# KiCad board Scopefun_v2.kicad_pcb (continued)
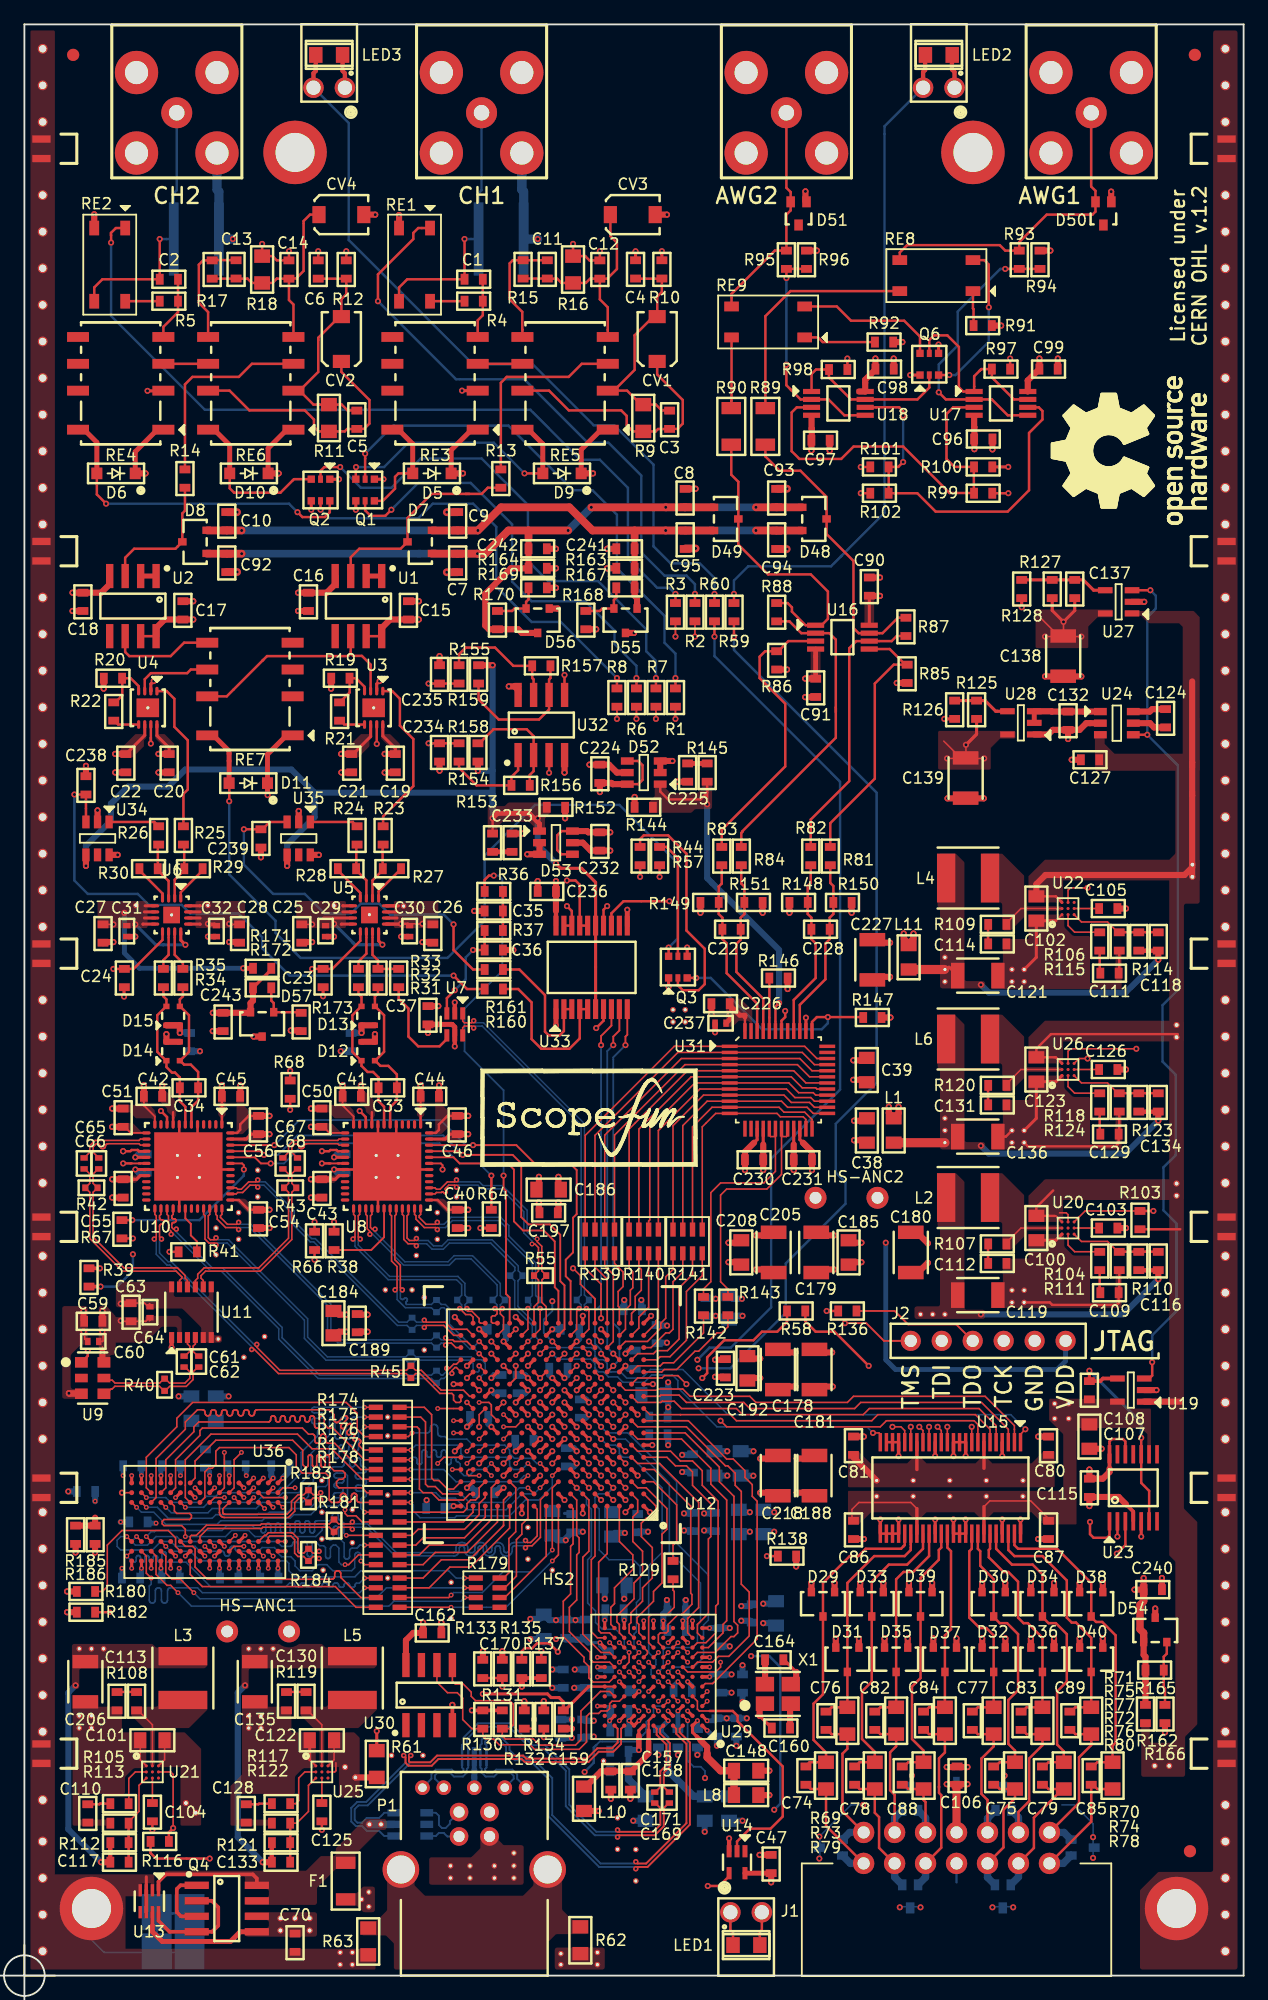
[diagram p0: board, top side]
## Routing (per net, layer and track width the routed paths; a pad name or vN(x,y) marks a point on that pad's centre or on a via; arc(x,y) is an arc through that point) (continued)
/DDR3 SDRAM/DDR3_A12_: length 27.8
  Top w0.127: R179.1 v2(36.1,32.6) ; U36.N7 v2(11.6,35.2)
  Bottom w0.127: v2(11.6,35.2) 12,34.8 13.6,34.8 14.4,34 21.5,34 21.7,33.8 21.7,33.2 22.2,32.7 27.1,32.7 27.6,33.2 34.8,33.2 35.4,32.6 v2(36.1,32.6)
/DDR3 SDRAM/DDR3_A13_: length 31.3
  Top w0.127: R176.4 27.7,37.2 27.2,37.7 26.5,37.7 26.3,37.9 v2(26.3,38.2) ; U36.T3 v2(9.2,38.4)
  Bottom w0.127: v2(9.2,38.4) 9.6,38 10.6,38 11.6,37 15.8,37 16.1,37.3 19.5,37.3 19.7,37.5 21.8,37.5 22.1,37.8 23.5,37.8 24.2,38.5 25.73,38.5 26.1,38.87 26.12,38.91 26.14,38.95 26.14,38.99 26.14,39.04 26.12,39.08 26.1,39.12 26.07,39.15 26.03,39.18 25.99,39.19 25.59,39.19 25.5,39.2 25.46,39.21 25.42,39.24 25.39,39.27 25.36,39.31 25.35,39.35 25.34,39.39 25.35,39.44 25.36,39.48 25.39,39.52 25.42,39.55 25.46,39.58 25.5,39.59 25.54,39.59 25.94,39.59 25.99,39.6 26.03,39.61 26.07,39.64 26.1,39.67 26.12,39.71 26.14,39.75 26.14,39.79 26.14,39.84 26.12,39.88 26.1,39.92 26.07,39.95 26.03,39.98 25.99,39.99 25.94,39.99 25.64,39.99 25.56,40.01 25.51,40.02 25.48,40.04 25.44,40.08 25.42,40.11 25.41,40.16 25.4,40.2 25.41,40.24 25.42,40.29 25.44,40.32 25.48,40.36 25.51,40.38 25.56,40.39 25.6,40.4 26,40.4 26.04,40.41 26.09,40.42 26.12,40.44 26.16,40.48 26.18,40.51 26.19,40.56 26.2,40.6 26.19,40.64 26.18,40.69 26.16,40.72 26.12,40.76 26.09,40.78 26.04,40.79 26,40.8 25.6,40.8 25.56,40.81 25.51,40.82 25.48,40.84 25.44,40.88 25.42,40.91 25.41,40.96 25.4,41 25.41,41.04 25.42,41.09 25.44,41.12 25.48,41.16 25.51,41.18 25.56,41.19 25.64,41.21 26.29,41.21 26.5,41 26.5,38.68 26.3,38.48 v2(26.3,38.2)
/DDR3 SDRAM/DDR3_A14_: length 28.6
  Top w0.127: R177.4 27.9,33.7 v2(27.6,34) ; U36.T7 v2(8.4,36)
  Bottom w0.127: v2(8.4,36) 7.9,36 7.6,35.7 7.6,35.2 7.9,34.9 10.5,34.9 11.2,35.6 12,35.6 12.4,35.2 14,35.2 14.4,34.8 16.2,34.8 16.24,34.79 16.29,34.78 16.32,34.76 16.36,34.72 16.38,34.69 16.39,34.64 16.41,34.56 16.42,34.51 16.44,34.48 16.48,34.44 16.51,34.42 16.56,34.41 16.6,34.4 16.65,34.4 16.69,34.41 16.74,34.42 16.77,34.44 16.81,34.48 16.83,34.51 16.84,34.56 16.85,34.6 16.85,35 16.86,35.04 16.87,35.09 16.89,35.12 16.93,35.16 16.96,35.18 17.01,35.19 17.05,35.2 17.1,35.2 17.14,35.19 17.19,35.18 17.22,35.16 17.26,35.12 17.28,35.09 17.29,35.04 17.31,34.96 17.32,34.91 17.34,34.88 17.38,34.84 17.41,34.82 17.46,34.81 17.5,34.8 19.2,34.8 19.5,35.1 20.5,35.1 20.8,34.8 20.8,34.65 21.1,34.35 21.85,34.35 22.2,34 22.2,33.6 22.6,33.2 23.6,33.2 24.1,33.7 24.8,33.7 25.3,33.2 26.84,33.2 27.09,33.46 27.09,34.46 27.1,34.51 27.12,34.56 27.15,34.61 27.19,34.65 27.24,34.68 27.29,34.7 27.34,34.71 27.4,34.7 27.45,34.68 27.5,34.65 27.54,34.61 27.57,34.56 27.59,34.51 27.59,34.46 27.59,34.01
/DDR3 SDRAM/DDR3_BA0_: length 23.4
  Top w0.127: R175.3 27.6,41.5 25.45,43.65 24.95,43.65 24.9,43.66 24.85,43.67 24.81,43.7 24.77,43.73 24.75,43.78 24.73,43.82 24.73,43.88 24.73,44.18 24.72,44.23 24.7,44.27 24.68,44.32 24.64,44.35 24.6,44.38 24.55,44.39 24.5,44.4 24.45,44.39 24.4,44.38 24.36,44.35 24.32,44.32 24.3,44.27 24.28,44.23 24.27,44.18 24.27,43.88 24.27,43.82 24.25,43.78 24.23,43.73 24.19,43.7 24.15,43.67 24.1,43.66 24.05,43.65 24,43.66 23.95,43.67 23.91,43.7 23.87,43.73 23.85,43.78 23.83,43.82 23.83,43.88 23.83,44.18 23.82,44.23 23.8,44.27 23.78,44.32 23.74,44.35 23.7,44.38 23.65,44.39 23.6,44.4 23.3,44.4 22.8,44.9 14.6,44.9 14.4,44.7 14.4,44.3 12.4,42.3 12.4,40 U36.M2
/DDR3 SDRAM/DDR3_BA1_: length 28.6
  Top w0.127: U36.N8 11.6,34.4 11.6,33 12.1,32.5 12.8,32.5 v2(13.9,31.4) ; R179.2 v2(36.1,31.8)
  Bottom w0.127: v2(36.1,31.8) 29.7,31.8 28.8,30.9 14.4,30.9 v2(13.9,31.4)
/DDR3 SDRAM/DDR3_BA2_: length 29.6
  Top w0.127: U36.M3 12.3,38.5 12.3,38.1 12.5,37.9 13.55,37.9 13.7,37.75 13.7,37.55 13.55,37.4 11.45,37.4 11.3,37.25 11.3,37.05 11.45,36.9 12.9,36.9 13.2,36.6 v2(13.2,36) ; v2(27.9,35.3) 28.8,35.3
  Bottom w0.127: 27.52,35.3 v2(27.9,35.3) ; 27.52,35.3 27.27,35.05 26.9,35.05 26.85,35.04 26.8,35.03 26.76,35 26.72,34.97 26.7,34.92 26.68,34.88 26.67,34.83 26.67,34.38 26.67,34.32 26.65,34.28 26.63,34.23 26.59,34.2 26.55,34.17 26.5,34.16 26.45,34.15 26.4,34.16 26.35,34.17 26.31,34.2 26.27,34.23 26.25,34.28 26.23,34.32 26.23,34.38 26.23,35.47 25.77,35.93 25.77,36.62 25.77,36.68 25.75,36.72 25.73,36.77 25.69,36.8 25.65,36.83 25.6,36.84 25.55,36.85 25.5,36.84 25.45,36.83 25.41,36.8 25.37,36.77 25.35,36.72 25.33,36.68 25.33,36.62 25.33,35.96 25.32,35.9 25.3,35.86 25.28,35.81 25.24,35.78 25.2,35.75 25.15,35.74 25.1,35.73 25.05,35.74 25,35.75 24.96,35.78 24.92,35.81 24.9,35.86 24.88,35.9 24.88,35.96 24.88,36.62 24.87,36.68 24.85,36.72 24.83,36.77 24.79,36.8 24.75,36.83 24.7,36.84 24.65,36.85 24.6,36.84 24.55,36.83 24.51,36.8 24.47,36.77 24.45,36.72 24.43,36.68 24.42,36.62 24.42,36.53 23.9,36 18.9,36 18.4,36.5 17,36.5 16.5,36 v2(13.2,36) ; 27.52,35.3 27.32,35.1
/DDR3 SDRAM/DDR3_CAS#_: length 21.7
  Top w0.127: R175.4 27.7,40.7 25.2,43.2 23.6,43.2 22.4,44.4 15.3,44.4 13.2,42.3 13.2,40.21 13.2,39.2 U36.K3
/DDR3 SDRAM/DDR3_CKE_: length 17.7
  Top w0.127: 22.5,31.9 25.5,31.9 27.2,30.2 R178.4 ; 22.5,31.9 14.6,31.9 13.6,32.9 U36.K9 ; 22.5,31.9 22.8,31.9
/DDR3 SDRAM/DDR3_ODT_: length 26.8
  Top w0.127: R176.1 28.1,39.6 27.7,40 25.8,40 25.6,40.2 25.6,40.5 25.8,40.7 26.1,40.7 26.3,40.9 26.3,41.2 26.1,41.4 25.4,41.4 25.02,41.78 25.02,42.53 25.02,42.56 25.01,42.6 24.99,42.63 24.96,42.66 24.93,42.68 24.89,42.7 24.85,42.7 24.81,42.7 24.77,42.68 24.74,42.66 24.71,42.63 24.69,42.6 24.68,42.56 24.67,42.53 24.67,41.88 24.67,41.84 24.66,41.8 24.64,41.77 24.61,41.74 24.58,41.72 24.54,41.7 24.5,41.7 24.46,41.7 24.42,41.72 24.39,41.74 24.36,41.77 24.34,41.8 24.33,41.84 24.33,41.88 24.33,42.53 24.32,42.56 24.31,42.6 24.29,42.63 24.26,42.66 24.23,42.68 24.19,42.7 24.15,42.7 24.11,42.7 24.07,42.68 24.04,42.66 24.01,42.63 23.99,42.6 23.98,42.56 23.98,42.53 23.98,41.88 23.97,41.84 23.96,41.8 23.94,41.77 23.91,41.74 23.88,41.72 23.84,41.7 23.8,41.7 23.76,41.7 23.72,41.72 23.69,41.74 23.66,41.77 23.64,41.8 23.63,41.84 23.62,41.88 23.62,42.53 23.62,42.56 23.61,42.6 23.59,42.63 23.56,42.66 23.53,42.68 23.49,42.7 23.45,42.7 23.41,42.7 23.37,42.68 23.34,42.66 23.31,42.63 23.29,42.6 23.28,42.56 23.27,42.53 23.27,41.88 23.27,41.84 23.26,41.8 23.24,41.77 23.21,41.74 23.18,41.72 23.14,41.7 23.1,41.7 23.06,41.7 23.02,41.72 22.99,41.74 22.83,41.9 22.83,43.07 22,43.9 15.7,43.9 14,42.2 14,40.8 U36.K1
/DDR3 SDRAM/DDR3_RAS#_: length 24
  Top w0.127: 14.39,38.8 U36.J3 14.8,39.2 14.8,41.3 15.1,41.6 15.4,41.6 15.7,41.9 15.7,43 16,43.3 21.7,43.3 22.3,42.7 22.3,41.7 22.8,41.2 24.7,41.2 25,40.9 25,39 25.2,38.8 25.7,38.8 25.75,38.81 25.8,38.82 25.84,38.85 25.88,38.88 25.9,38.93 25.92,38.97 25.92,39.03 25.92,39.33 25.93,39.38 25.95,39.42 25.97,39.47 26.01,39.5 26.05,39.53 26.1,39.54 26.15,39.55 26.2,39.54 26.25,39.53 26.29,39.5 26.33,39.47 26.35,39.42 26.37,39.38 26.38,39.33 26.38,39.03 26.38,38.97 26.4,38.93 26.42,38.88 26.46,38.85 26.5,38.82 26.55,38.81 26.6,38.8 26.65,38.81 26.7,38.82 26.74,38.85 26.78,38.88 26.8,38.93 26.82,38.97 26.83,39.03 26.83,39.33 26.83,39.38 26.85,39.42 26.87,39.47 26.91,39.5 26.95,39.53 27,39.54 27.05,39.55 27.1,39.54 27.15,39.53 27.19,39.5 27.23,39.47 27.25,39.42 27.27,39.38 27.27,39.33 27.27,39.03 27.28,38.97 27.3,38.93 27.32,38.88 27.36,38.85 27.4,38.82 27.45,38.81 27.5,38.8 R176.2
/DDR3 SDRAM/DDR3_WE#_: length 27.7
  Top w0.127: U36.L3 v2(13.2,38.4) ; v2(27.9,45.8) R174.2
  Bottom w0.127: v2(13.2,38.4) 14.7,38.4 15.1,38.8 19,38.8 19.4,39.2 20.8,39.2 21.2,39.6 22.5,39.6 22.8,39.9 22.8,40.5 23.5,41.2 23.5,42.8 25.02,44.33 25.02,45.58 25.03,45.63 25.05,45.67 25.07,45.72 25.11,45.75 25.15,45.78 25.2,45.79 25.25,45.8 25.3,45.79 25.35,45.78 25.39,45.75 25.43,45.72 25.45,45.67 25.47,45.63 25.48,45.58 25.48,44.22 25.48,44.17 25.5,44.13 25.52,44.08 25.56,44.05 25.6,44.02 25.65,44.01 25.7,44 25.75,44.01 25.8,44.02 25.84,44.05 25.88,44.08 25.9,44.13 25.92,44.17 25.92,44.22 25.92,45.58 25.93,45.63 25.95,45.67 25.97,45.72 26.01,45.75 26.05,45.78 26.1,45.79 26.15,45.8 26.2,45.79 26.25,45.78 26.29,45.75 26.33,45.72 26.35,45.67 26.37,45.63 26.38,45.58 26.38,44.22 26.38,44.17 26.4,44.13 26.42,44.08 26.46,44.05 26.5,44.02 26.55,44.01 26.6,44 26.65,44.01 26.7,44.02 26.74,44.05 26.78,44.08 26.8,44.13 26.82,44.17 26.83,44.22 26.83,45.58 26.83,45.63 26.85,45.67 26.87,45.72 26.91,45.75 26.95,45.78 27,45.79 27.05,45.8 v2(27.9,45.8)
/DDR3 SDRAM/VFREF: length 5.3
  Top w0.127: 15.2,40.99 v2(15.19,41)
  Top w0.25: U36.H1 15.2,40.99 ; U36.M8 v2(12.4,34.4)
  Top w0.5: 5.8,36.95 v2(5.8,37.55) ; R185.2 v2(5,36.9) 4.3,36.9
  Bottom w0.4: v2(15.19,41) 15.19,41.31 14.9,41.6 ; v2(10.8,37.1) 10.3,37.1
  Bottom w0.5: 10.3,37.1 10.2,37.2 ; 5.8,39.6 v2(5.8,38.9)
/GAIN, OFFSET/AN_TRIG: length 8.6
  Top w0.127: R31.1 30.85,81.05
  Top w0.2: U7.4 34.65,76.8 34.05,76.2 32.3,76.2 31.5,77 31.5,79.3 30.7,80.1 R31.1
/POWER SUPPLY/A2_L_1V0: length 5.2
  Top w0.127: 80.56,60 80.56,60.13 81.73,61.3 U20.A2
/POWER SUPPLY/A2_L_1V2: length 5.2
  Top w0.127: 23.1,21.74 23.23,21.74 24.4,20.56 U25.A2
/POWER SUPPLY/A2_L_1V5: length 5.2
  Top w0.127: U21.A2 10.5,20.56 9.33,21.74 9.2,21.74
/POWER SUPPLY/A2_L_1V8: length 5.2
  Top w0.127: U26.A2 81.73,74.3 80.56,73.13 80.56,73
/POWER SUPPLY/A2_L_3V3: length 5.2
  Top w0.127: U22.A2 81.73,87.5 80.56,86.33 80.56,86.2
/POWER SUPPLY/PG1: length 27.4
  Top w0.127: R103.2 87,62.7 U20.C3 ; U26.B3 85.6,75.8 85.8,76 v1(91.2,76)
  Top w0.2: R103.2 v1(92.6,62.7)
  In2.Cu w0.2: v1(91.2,76) 91.2,70.2 92.6,68.8 v1(92.6,62.7)
/POWER SUPPLY/PG2: length 179.1
  Top w0.127: U22.B3 85.6,89 85.8,89.2 86.9,89.2 ; U21.B3 12,16.7 12.2,16.5 v1(12.2,12.1) ; 86.9,89.2 87,89.2 ; 86.9,89.2 v1(87.2,89.2) ; U26.C3 86.5,75.2 87,75.2
  Top w0.2: v1(12.2,12.1) 11.85,11.75 R116.2
  In2.Cu w0.2: v1(87.2,89.2) v1(87.2,75.2) 87.2,66.05 94.8,58.45 94.8,15 83.3,3.5 27.8,3.5 19.2,12.1 v1(12.2,12.1)
/USB FX3/TX+: length 6.3
  Top w0.155: U29.A5 52.14,20.24 52.14,19.86 52.94,19.06 52.94,17.14 52.44,16.64 52.44,15.46 52.85,15.05 C169.2
/USB FX3/TX-: length 6.3
  Top w0.155: C171.2 51.75,15.05 52.16,15.46 52.16,16.76 52.66,17.26 52.66,18.94 51.86,19.74 51.86,20.24 U29.A6
/USB Port/U2D+: length 3.3
  Bottom w0.155: D16.3 33.23,11.45 ; D16.3 33.75,11.45 34,11.7 34.4,11.7 34.69,11.41 P1.3 ; D16.3 32.77,11.45
/USB Port/U2D-: length 4.6
  Bottom w0.127: 35.59,13.35 P1.2
  Bottom w0.155: 32.77,13.35 D16.1 33.75,13.35 34,13.1 34,12.35 34.25,12.1 34.55,12.1 34.9,12.45 34.9,12.66 P1.2
A_D0_J2: length 26.4
  Top w0.2: R78.2 88,17.5 87.66,17.16 87.5,17.16 ; R78.2 89.25,18.85 89.5,19.1 89.5,27.9 88.4,29 87.9,29 87.5,29.4 D38.3 87.5,32.2 84.7,35 81.5,35 81.2,35.3 U15.47 ; R78.2 89.2,17.5
A_D1_J1: length 20.5
  Top w0.2: 85.75,21.66 85.86,21.66 86.2,22 R80.2 D40.3 87.5,27.7 86.25,28.95 85.9,28.95 85.5,29.35 85.5,32.4 83.5,34.4 81.2,34.4 80.7,34.9 U15.46
A_D2_J4: length 25
  Top w0.2: R74.2 85.25,18.4 84.7,18.95 84.7,23.3 85.5,24.1 85.5,28 84.6,28.9 84,28.9 83.5,29.4 D34.3 83.5,32.9 82.7,33.7 81,33.7 79.7,35 U15.44 ; R74.2 84,17.5 83.66,17.16 83.5,17.16 ; R74.2 85.2,17.5
A_D3_J3: length 18.4
  Top w0.2: 81.75,21.66 81.86,21.66 82.2,22 R76.2 D36.3 83.5,27.7 82.3,28.9 81.95,28.9 81.5,29.35 81.5,32.3 80.7,33.1 80.3,33.1 79.1,34.3 79.1,34.9 79.2,35 U15.43
A_D4_J6: length 23.1
  Top w0.2: R70.2 81.25,18.45 80.7,19 80.7,22.6 81.5,23.4 81.5,28 80.6,28.9 80,28.9 79.5,29.4 D30.3 79.5,32.5 78.4,33.6 78.4,34.8 78.2,35 U15.41 ; R70.2 80,17.5 79.66,17.16 79.5,17.16 ; R70.2 81.2,17.5 ; R70.2 81.15,17.5
A_D5_J5: length 17.4
  Top w0.2: 77.75,21.66 77.86,21.66 78.2,22 R72.2 D32.3 79.5,27.9 78.9,28.5 78.35,28.5 77.5,29.35 77.5,34.8 77.7,35 U15.40
A_D6_J10: length 16.5
  Top w0.2: 75.7,35.36 75.7,35.4 ; 75.7,35.4 75.7,35.1 76,34.8 76,28.4 75.5,27.9 D37.3 R77.2 74.2,22 73.86,21.66 73.75,21.66 ; 75.7,35.4 U15.36
A_D7_J9: length 22.3
  Top w0.2: 73.65,17.5 R79.2 ; R79.2 73.75,18.45 72.8,19.4 72.8,23.7 73.5,24.4 73.5,29.65 ; R79.2 72.5,17.5 72.16,17.16 72,17.16 ; D39.3 73.5,32.6 75,34.1 75,34.9 75.2,35.1 U15.35
A_D8_J12: length 24.1
  Top w0.2: R73.2 69.7,17.5 ; R73.2 68.5,17.5 68.16,17.16 68,17.16 ; R73.2 69.75,18.35 68.7,19.4 68.7,23.3 69.5,24.1 D33.3 69.5,32.3 70.9,33.7 72.4,33.7 73.7,35 U15.32
A_D9_J11: length 17.7
  Top w0.2: 69.75,21.66 69.86,21.66 70.2,22 R75.2 D35.3 71.5,32.5 72.1,33.1 72.9,33.1 74.2,34.4 U15.33
A_D10_J14: length 26.5
  Top w0.2: R69.2 65.75,18.3 64.73,19.32 64.73,22.3 65.5,23.07 65.5,29.65 ; R69.2 65.7,17.5 ; R69.2 64.4,17.5 64.06,17.16 64,17.16 ; D29.3 65.5,32.2 67.7,34.4 68.4,34.4 69,35 71.9,35 72.1,35.2 72.1,35.2 72.2,35.3 U15.29
A_D11_J13: length 19.8
  Top w0.2: U15.30 72.7,35.36 ; 72.7,35.36 72.7,35.36 ; 72.7,35.36 72.7,35.1 72.7,35.1 72.7,34.9 72.2,34.4 69.7,34.4 67.5,32.2 D31.3 R71.2 66.2,22 65.86,21.66 65.75,21.66
ADC_CLK_EN: length 89.9
  Top w0.127: 4.65,50.08 4.73,50.08
  Top w0.2: U14.4 57.8,8.15 57,7.35 v1(56.05,7.35) ; v1(5.2,51.2) 5.2,50.81 U9.1
  In2.Cu w0.2: v1(56.05,7.35) 55.1,7.35 53.65,5.9 34.9,5.9 33.7,7.1 33.7,9.75 32.25,11.2 23.8,11.2 7.3,27.7 5.7,27.7 4.5,28.9 4.5,33.7 5,34.2 5,35.4 4.3,36.1 4.3,39.3 5,40 5,49.6 5.2,49.8 v1(5.2,51.2)
ADC_CLK_EN_S: length 19.9
  Top w0.127: 56.2,21.7 55.35,21.7 55.2,21.85 55.2,22.5 54.8,22.9
  Top w0.2: 56.2,21.7 58.1,21.7 58.5,21.3 58.5,20.85 62.2,17.15 62.2,13.05 61.2,12.05 59.5,12.05 58.45,11 U14.2
ADC_RESETN: length 153.6
  Top w0.127: U29.H6 v2(52,26.5)
  Top w0.15: 9.4,66.6 8.8,66.6 ; 25.7,66.6 25.1,66.6
  Top w0.2: 9.4,66.6 U10.18 ; 8.8,66.6 v1(8.1,66.6) ; U8.18 25.7,66.6 ; 25.1,66.6 v1(24.4,66.6)
  Top w0.3: R39.2 v1(6.2,58)
  In2.Cu w0.127: v2(52,26.5) 52,25.7 52.4,25.3 52.4,24.5 52.41,24.49 52.41,23.79 52.6,23.6 55.5,23.6 55.8,23.9 56.5,23.9 56.7,24.1 58.7,24.1 59.6,25 v1(59.6,26.2)
  In2.Cu w0.2: v1(24.4,66.6) 22.8,66.6 19.4,63.2 18,63.2 16.9,64.3 9.4,64.3 8.1,65.6 v1(8.1,66.6) 7.05,66.6 6.2,65.75 v1(6.2,58) 7.2,57 7.2,50.1 6.6,49.5 6.6,34.2 5.7,33.3 5.7,29.4 6.7,28.4 8.5,28.4 11.6,25.3 20.2,25.3 28.4,17.1 41.4,17.1 43,15.5 50.2,15.5 52.1,13.6 v1(61.5,13.6)
  Bottom w0.2: v1(61.5,13.6) 62,14.1 62,25.3 61.1,26.2 v1(59.6,26.2)
ADC_SCLK: length 45.3
  Top w0.15: U10.45 19.35,67.6 v1(19.65,67.3) ; U12.R8 44.3,53 44.3,56.6 43.95,56.95 43.95,60.75 43.1,61.6 41.35,61.6 40.75,62.2 40.75,66.6 40.05,67.3 v1(35.95,67.3) 35.65,67.6 U8.45
  Bottom w0.15: v1(19.65,67.3) 20.8,67.3 22.4,68.9 34.35,68.9 v1(35.95,67.3)
ADC_SDIN: length 47.6
  Top w0.15: U12.T7 44.8,56.95 44.4,57.35 44.4,58.7 45,59.3 45,62.15 45.3,62.45 45.3,66.05 44.8,66.55 41.9,66.55 40.35,68.1 v1(36.8,68.1) U8.46 ; v1(20.5,68.1) U10.46
  Bottom w0.15: v1(36.8,68.1) 36.2,68.1 34.15,70.15 22.55,70.15 v1(20.5,68.1)
ADCA_CS: length 22.5
  Top w0.15: U8.44 35.2,67.1 35.7,66.6 39.65,66.6 40.15,66.1 40.15,61.85 40.9,61.1 42.6,61.1 43.5,60.2 43.5,56.45 43.8,56.15 U12.T8
ADCB_CS: length 48.1
  Top w0.15: v1(20.2,66.6) 19.4,66.6 18.9,67.1 U10.44 ; U12.L15 v1(37.3,48)
  Top w0.2: v1(38.3,65.6) R64.2
  In2.Cu w0.15: v1(37.3,48) 37.8,48.5 37.8,51.3 37.6,51.5 36.8,51.5 34.5,53.8 34.5,55.4 35.6,56.5 35.6,58 38.3,60.7 v1(38.3,65.6)
  Bottom w0.15: v1(20.2,66.6) 21.3,66.6 22.95,68.25 34.05,68.25 35.7,66.6 37.3,66.6 v1(38.3,65.6)
AN_TRIG_LEVEL: length 41.9
  Top w0.15: v1(39.3,65.6) 39.3,64.55 39.5,64.35 39.5,55.9 39.8,55.6 U12.T12
  Top w0.2: R36.2 37.75,89.85 38.1,90.2 v1(38.5,90.2)
  Bottom w0.15: v1(39.3,65.6) 39.3,72.6 36.1,75.8 36.1,79.3 39.2,82.4 39.2,89.9 38.9,90.2 v1(38.5,90.2)
AN_TRIG_N: length 31.8
  Top w0.127: U7.6 35.95,77.73 36.09,77.87 36.69,77.87 v3(36.85,77.7) ; U12.R7 45.3,53 45.3,54.5 v3(45.5,54.7)
  Bottom w0.127: 45.3,55.45 45.67,55.82 45.67,69.74 37.54,77.87 37.01,77.87 v3(36.85,77.7) ; R56.1 45.3,55.38 45.67,55.01 45.67,54.86 v3(45.5,54.7)
AN_TRIG_P: length 32.2
  Top w0.127: U12.R6 46.3,53 46.3,54.5 v3(46.1,54.7) ; U7.1 35.95,78.27 36.09,78.13 36.69,78.13 v3(36.85,78.3)
  Bottom w0.127: 46.3,55.45 45.93,55.82 45.93,69.86 37.66,78.13 37.01,78.13 v3(36.85,78.3) ; R56.2 46.3,55.38 45.93,55.01 45.93,54.86 v3(46.1,54.7)
AWG1_PROT: length 16.3
  Top w0.2: 78.35,131.6 78.48,131.73 R97.2 79.35,131.06 81.16,129.25 U17.7 ; 78.35,131.6 78.47,131.72 ; 78.35,131.6 77.9,131.15 77.9,130.31 77.9,130.31 U17.1 77,129.9 76.65,130.25 76.65,133.55 75.7,134.5 74.6,134.5 74.22,134.12 Q6.5
AWG1_PROTECT: length 13
  Top w0.2: v1(79.1,136.8) 79.1,140.3 78.73,140.67 RE8.2 ; Q6.3 v1(75.86,131.25)
  Bottom w0.2: v1(75.86,131.25) 76.37,131.25 79.1,133.97 v1(79.1,136.8)
AWG2_PROT: length 14.1
  Top w0.2: Q6.2 74.22,130.22 73.25,129.25 U18.7 67.8,129.25 65.99,131.06 65.99,131.7 64.93,131.7 64.56,131.33 U18.1
AWG2_PROTECT: length 11.9
  Top w0.2: Q6.6 73.46,134.4 72.16,135.7 67.8,135.7 66.63,136.87 RE9.2
CC_AB: length 48.1
  Top w0.15: v1(40.3,50) 40.3,49 U12.L12
  Top w0.2: v1(50.5,90.1) R44.1
  In2.Cu w0.15: v1(40.3,50) 40.8,50.5 40.8,52.5 41.8,53.5 41.8,56.5 45.9,60.6 47,60.6 51.1,64.7 51.1,89.5 v1(50.5,90.1)
CH1_ADC_CLK_IN+: length 6.1
  Top w0.127: C67.2 21.67,67.52 21.67,68.06 22.09,68.48 25.7,68.48 25.82,68.6 U8.14
CH1_ADC_CLK_IN-: length 6.1
  Top w0.127: U8.15 25.82,68.1 25.7,68.22 23.15,68.22 23.1,68.21 23.06,68.2 23.02,68.17 22.99,68.14 22.97,68.1 22.95,68.06 22.94,67.97 22.93,67.93 22.9,67.89 22.87,67.86 22.84,67.84 22.79,67.82 22.75,67.82 22.7,67.82 22.65,67.82 22.61,67.84 22.57,67.86 22.54,67.89 22.52,67.93 22.5,67.97 22.49,68.06 22.48,68.1 22.45,68.14 22.42,68.17 22.39,68.2 22.34,68.21 22.3,68.22 22.21,68.22 21.93,67.94 21.93,67.52 C68.2
CH1_CM: length 20.6
  Top w0.2: v1(23.6,82.55) C23.1 25.25,82.55 27.55,84.85 U5.9 ; v1(27.5,70.9) 28,70.4 U8.10
  In2.Cu w0.2: v1(23.6,82.55) 23.15,82.1 23.15,79.85 26.8,76.2 26.8,71.6 v1(27.5,70.9)
CH1_DC: length 65.3
  Top w0.15: R2.1 v1(55,109.8) ; U12.R12 v1(40.3,53)
  In2.Cu w0.15: v1(40.3,53) 40.8,53.5 40.8,56.7 50.15,66.05 50.15,88.95 49.6,89.5 49.6,91 55,96.4 v1(55,109.8)
CH1_GAIN: length 11.5
  Top w0.2: R159.1 C235.1 v1(33.15,105.95) ; v1(28.9,101) 28.9,102.59 U3.7
  In2.Cu w0.2: v1(33.15,105.95) 32.2,105 32.2,103.05 30.15,101 v1(28.9,101)
CH1_GAIN_ADJ: length 25.6
  Top w0.2: v1(44.5,89.8) 45.2,89.8 45.55,89.45 U33.17 U33.16 ; v1(44.3,106.65) 44.3,105.02 44.31,105.02
  In2.Cu w0.2: v1(44.5,89.8) 43.9,90.4 43.1,90.4 42.6,90.9 42.6,93.4 43.7,94.5 43.7,106.05 v1(44.3,106.65)
CH1_GND: length 62.4
  Top w0.15: U12.M12 v1(39.3,50) ; v1(53.4,103.05) R1.1
  In2.Cu w0.15: v1(53.4,103.05) 49,98.65 49,93.85 48.2,93.05 47.6,93.05 47.2,92.65 47.2,79.4 46.15,78.35 46.15,77.1 43,73.95 43,62.4 40.7,60.1 40.7,59.2 38.1,56.6 38.1,54 39.3,52.8 39.3,52.7 39.8,52.2 39.8,51.8 39.3,51.3 v1(39.3,50)
CH1_K: length 59.8
  Top w0.127: U12.P13 v1(38.3,52)
  Top w0.15: v1(50.2,103.05) R6.2
  In2.Cu w0.15: v1(38.3,52) 37.8,52.5 36.8,52.5 36.4,52.9 36.4,53.7 36.9,54.2 36.9,58 39.2,60.3 39.2,61.1 40.4,62.3 40.4,73.55 44.35,77.5 44.35,78.9 45.8,80.35 45.8,93.95 46.4,94.55 46.4,97.7 46.9,98.2 46.9,99.75 v1(50.2,103.05)
CH1_OFFSET: length 4
  Top w0.2: R24.2 26.93,94.6 U35.1
CH1_OFFSET_ADJ: length 11.6
  Top w0.2: U33.3 U33.2 44.25,77.45 43.9,77.1 43,77.1 42.7,77.4 42.7,80.4 40.6,82.5 R161.2
CH2_ADC_CLK_IN+: length 6.1
  Top w0.127: U10.14 9.52,68.6 9.4,68.48 5.79,68.48 5.37,68.06 5.37,67.52 C65.2
CH2_ADC_CLK_IN-: length 6.1
  Top w0.127: C66.2 5.63,67.52 5.63,67.94 5.91,68.22 6,68.22 6.04,68.21 6.09,68.2 6.12,68.17 6.15,68.14 6.18,68.1 6.19,68.06 6.2,67.97 6.22,67.93 6.24,67.89 6.27,67.86 6.31,67.84 6.35,67.82 6.4,67.82 6.45,67.82 6.49,67.82 6.54,67.84 6.57,67.86 6.6,67.89 6.63,67.93 6.64,67.97 6.65,68.06 6.67,68.1 6.69,68.14 6.72,68.17 6.76,68.2 6.8,68.21 6.85,68.22 9.4,68.22 9.52,68.1 U10.15
CH2_CM: length 20.8
  Top w0.2: U10.10 11.7,70.4 v1(11.2,70.9) ; v1(7.3,82.55) C24.1 8.95,82.55 11.33,84.93 U6.9
  In2.Cu w0.2: v1(11.2,70.9) 10.5,71.6 10.5,76.3 6.7,80.1 6.7,81.95 v1(7.3,82.55)
CH2_DC: length 67.3
  Top w0.15: v1(53.4,109.8) R3.1 ; U12.N12 v1(40.3,51)
  In2.Cu w0.15: v1(53.4,109.8) 54.2,109 54.2,102 51.2,99 51.2,94.1 48.7,91.6 48.7,85.6 48,84.9 48,77.9 46.5,76.4 46.5,63.7 39.8,57 39.8,52.8 40.3,52.3 v1(40.3,51)
CH2_GAIN: length 30.3
  Top w0.2: 10.37,101.5 v1(10.37,101.03) ; 10.37,101.5 10.37,101.13 ; 10.37,101.5 U4.7 ; v1(33.15,101.05) C234.1 R158.1
  In2.Cu w0.2: v1(10.37,101.03) 20.27,101.03 24,97.3 29.4,97.3 v1(33.15,101.05)
CH2_GAIN_ADJ: length 18.9
  Top w0.2: U32.3 v1(43.03,98.64) ; U33.19 U33.18 44.9,87.3 v1(44.5,87.7)
  In2.Cu w0.2: v1(44.5,87.7) 42.6,87.7 40.2,90.1 40.2,95.8 v1(43.03,98.64)
CH2_GND: length 60.4
  Top w0.15: v1(51.8,103.05) R7.1 ; U12.N13 v1(38.3,51)
  In2.Cu w0.15: v1(38.3,51) 38.8,51.5 38.8,52.5 37.5,53.8 37.5,57.2 40,59.7 40,60.6 41.4,62 41.4,73.45 45.25,77.3 45.25,78.75 46.5,80 46.5,93.3 47.85,94.65 47.85,99.1 v1(51.8,103.05)
CH2_K: length 64.5
  Top w0.15: U12.M15 v1(36.3,49) ; v1(48.6,103.05) R8.2
  In2.Cu w0.15: v1(36.3,49) U12.M15 36.8,50.5 36.2,51.1 34.2,51.1 33.8,51.5 33.8,58.8 35.5,60.5 35.5,63.2 37.2,64.9 37.2,65.8 39.3,67.9 39.3,74.85 45.1,80.65 45.1,99.55 v1(48.6,103.05)
CH2_OFFSET: length 4.2
  Top w0.2: R26.2 10.66,94.6 U34.1
CH2_OFFSET_ADJ: length 13.5
  Top w0.2: U33.5 U33.4 45.55,76.85 44.7,76 42.4,76 41.6,76.8 41.6,79.8 40.5,80.9 R160.2
CLK_ADC_N: length 18.2
  Top w0.127: U12.N14 v3(37.3,51) ; U8.31 30,62.42 30.12,62.3 30.12,58.59 30.57,58.14 30.57,56.39 v3(30.4,56.23) ; 37.43,50.87 37.43,50.89
  Bottom w0.127: v3(37.3,51) 36.92,51.38 36.53,51.38 34.58,53.32 34.58,54.59 34.41,54.77 34.19,54.77 33.83,54.4 R51.2 33.75,54.4 33.38,54.77 31.24,54.77 30.57,55.44 30.57,56.07 v3(30.4,56.23)
CLK_ADC_P: length 18.1
  Top w0.127: U12.P14 v3(37.3,52) ; U8.32 30.5,62.42 30.38,62.3 30.38,58.71 30.83,58.26 30.83,56.39 v3(31,56.23)
  Bottom w0.127: v3(31,56.23) 30.83,56.07 30.83,55.56 30.91,55.48 30.93,55.46 30.96,55.45 31,55.44 31.03,55.44 31.06,55.45 31.09,55.46 31.12,55.48 31.15,55.52 31.18,55.54 31.21,55.55 31.24,55.56 31.28,55.56 31.31,55.55 31.34,55.54 31.37,55.52 31.39,55.49 31.4,55.46 31.41,55.43 31.41,55.4 31.4,55.36 31.39,55.33 31.37,55.31 31.33,55.27 31.31,55.25 31.3,55.22 31.29,55.18 31.29,55.15 31.3,55.12 31.31,55.09 31.33,55.06 31.36,55.03 33.38,55.03 33.75,55.4 R51.1 33.83,55.4 34.19,55.03 34.52,55.03 34.85,54.7 34.85,53.44 36.64,51.65 36.95,51.65 v3(37.3,52)
clk_fx3: length 8.2
  Top w0.127: U12.C1 51.6,40.5 53.5,38.6 53.5,35.6 53.2,35.3 R129.1
D0_J2: length 12
  Top w0.2: 87.5,13 87.5,12.63 J1.2 ; 87.5,13 87.5,12.78 ; 87.5,13 87.5,15.6 ; 87.5,15.64 87.66,15.64 88,15.3 R78.1
  Bottom w0.6: J1.2 85.2,9.2 D42.1
D1_J1: length 13.5
  Top w0.2: R80.1 87.5,18.9 86.5,17.9 86.5,14.17 J1.1 ; R80.1 87.4,19.8 ; R80.1 86.2,19.8 85.86,20.14 85.75,20.14
  Bottom w0.6: J1.1 85.26,11.74 D42.2
D2_J4: length 11.6
  Top w0.2: J1.4 82.8,10.47 82.8,12.95 85.15,15.3 R74.1 84,15.3 83.65,15.65 C79.1
  Bottom w0.6: D47.2 81.53,8.08 J1.4
D3_J3: length 12.9
  Top w0.2: J1.3 81.53,13.43 82.41,14.3 82.41,17.8 83.5,18.89 R76.1 ; 83.4,19.8 R76.1 ; R76.1 82.2,19.8 81.86,20.14 81.75,20.14
  Bottom w0.6: J1.3 81.53,12.97 D43.1
D4_J6: length 10.9
  Top w0.2: C75.1 79.65,15.65 80,15.3 R70.1 81.25,14.55 80.3,13.6 80.3,10.51 J1.6
  Bottom w0.6: J1.6 78.99,8.06 D47.1
D5_J5: length 12.7
  Top w0.2: J1.5 78.99,14.41 78.5,14.9 78.5,17.8 79.5,18.8 R72.1 78.2,19.8 77.86,20.14 77.75,20.14
  Bottom w0.6: D43.2 78.99,12.89 J1.5
D6_J10: length 15.4
  Top w0.2: J1.10 75.2,10.49 75.2,14.8 75.02,14.98 75.02,15.5 ; 75.02,15.4 75.02,15.5 ; 75.02,15.5 75.02,17.82 75.5,18.3 R77.1 74.2,19.8 73.86,20.14 73.75,20.14
  Bottom w0.6: J1.10 73.91,8.06 D46.2
D7_J9: length 7.6
  Top w0.2: J1.9 73.91,14.24 73.75,14.4 R79.1 72.5,15.3 72.15,15.65 C88.1
  Bottom w0.6: J1.9 73.91,12.94 D44.1
D8_J12: length 10.7
  Top w0.2: 68,15.64 68.16,15.64 68.5,15.3 R73.1 69.75,13.35 70.1,13 70.1,10.47 J1.12
  Bottom w0.6: J1.12 71.37,8.08 D46.1
D9_J11: length 12.4
  Top w0.2: 69.75,20.14 69.86,20.14 70.2,19.8 R75.1 71.5,18.8 71,18.3 71,15.2 71.37,14.83 J1.11
  Bottom w0.6: J1.11 71.37,12.92 D44.2
D10_J14: length 11.3
  Top w0.2: 64,15.64 64.16,15.64 64.5,15.3 R69.1 65.75,12.28 J1.14
  Bottom w0.6: J1.14 67.75,9.2 D45.2
D11_J13: length 12.8
  Top w0.2: J1.13 67.1,13.47 67.1,18.2 67.5,18.6 R71.1 66.2,19.8 65.86,20.14 65.75,20.14
  Bottom w0.6: D45.1 67.69,11.74 J1.13
D+: length 32.7
  Top w0.155: U29.A9 48.94,20.24 48.94,18.99 48.31,18.36 47.11,18.36 46.26,17.51 41.04,17.51 40.79,17.76 33.96,17.76 33.41,17.21 31.5,17.21 31.26,17.45 31.26,17.9 v3(31.11,18.05)
  Bottom w0.155: v3(31.11,18.05) 31.26,17.9 31.26,17.46 28.04,14.24 27.29,14.24 26.81,13.76 26.81,12.64 27.19,12.26 27.7,12.26 27.77,12.19 27.77,12.18 28.08,11.87 29.09,11.87 29.51,11.45 D16.4
